# Altium PCB PCB4_NEW.PcbDoc (part 2 of 2)
Units mm, origin at the board's own origin, x right, y up, seen from the top; angles counter-clockwise.
Board outline 99.96 x 62.07 mm, 4 copper layers (Top Layer, GND2, V_S_3, Bottom Layer), stack 0.778 mm thick; 63 components, 104 nets, 298 pads, 177 vias.
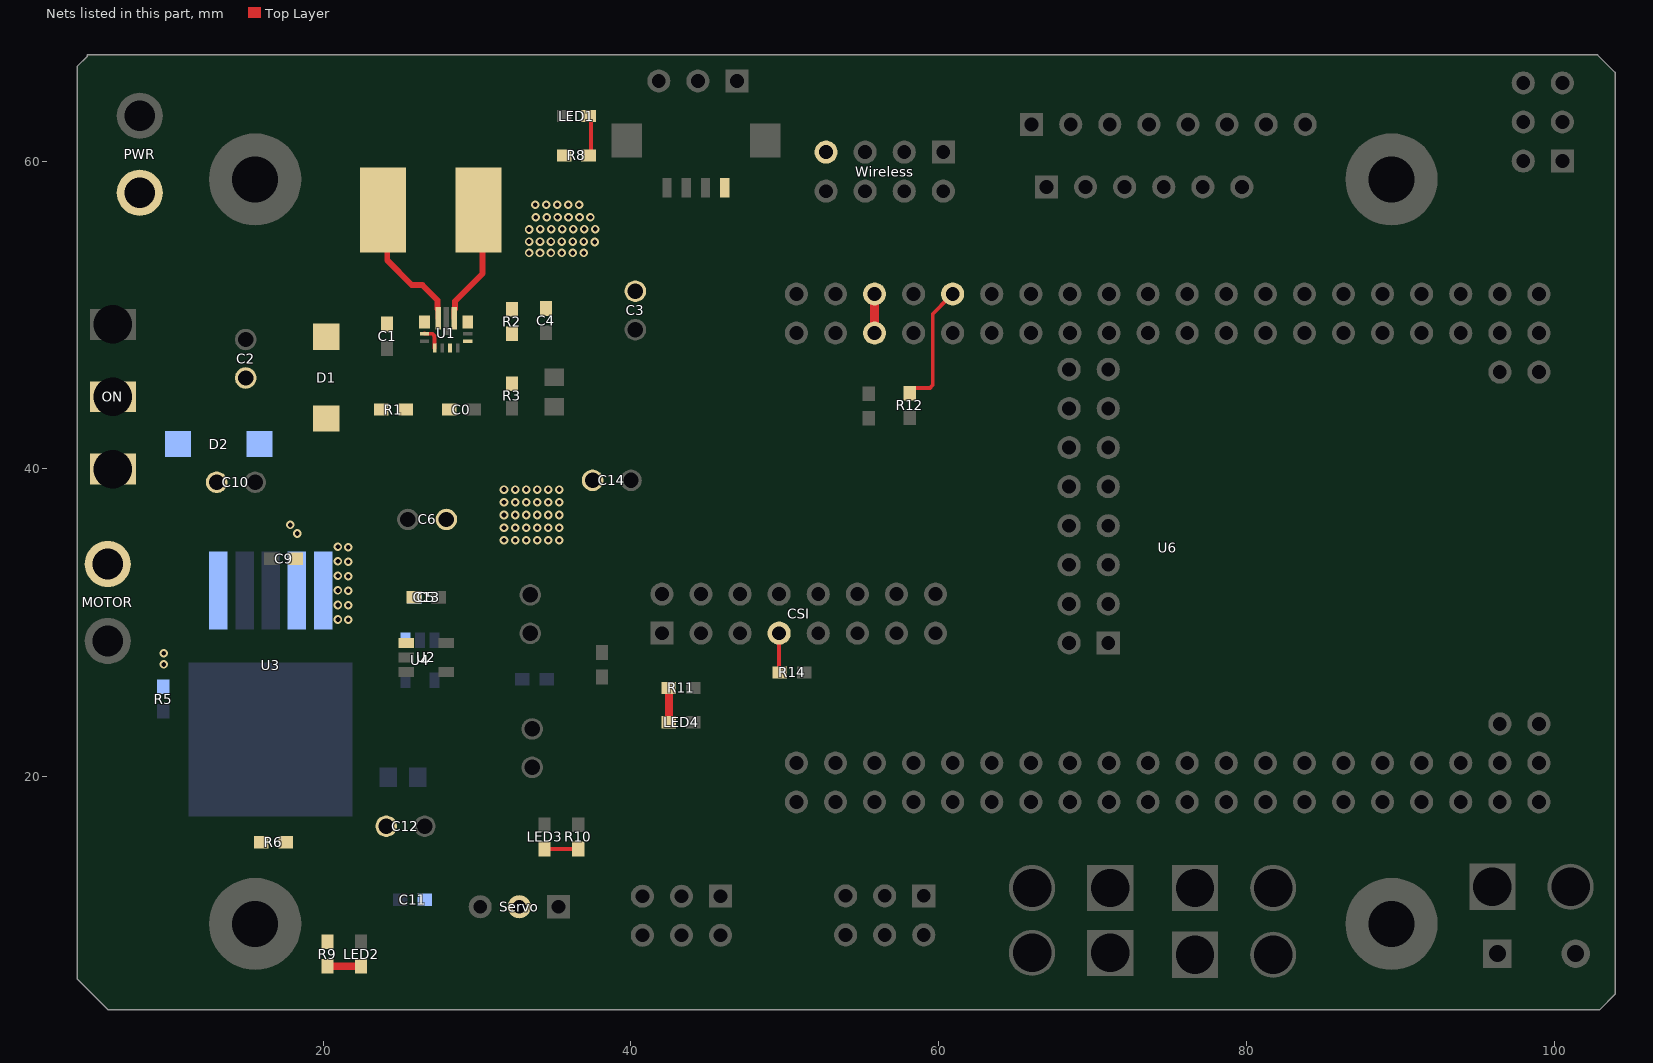
[diagram p4: the nets of this part, all layers, seen from the top]

## Via types
v1: diameter 0.559, hole 0.305, Top Layer to Bottom Layer, tented both sides, 177 vias

## Nets (pads, with @x,y where several pads share a name; then routed paths per layer and width w, separated by ;. In a path a pad name is that pad's centre, name@x,y a point inside that pad or via, vN(x,y) a via of type N, cw(c..) or ccw(c..) an arc to the next point about the centre after c; other vN are vias at no path point) (continued)
L1_1: ?.2@23.876,56.82 U1.11 | length 8.9
  Top Layer w0.35: U1.11@27.461,49.779 U1.11@27.461,50.346
  Top Layer w0.381: ?.2@23.876,56.82 24.155,56.54 24.155,53.543 25.756,51.943 26.441,51.943 27.431,50.954 27.431,50.377 U1.11@27.461,50.346
L1_2: ?.1@30.099,56.82 U1.9 | length 7.9
  Top Layer w0.35: U1.9@28.512,49.779 U1.9@28.512,50.331
  Top Layer w0.381: U1.9@28.512,50.331 28.558,50.377 28.558,50.885 30.353,52.68 30.353,56.566 ?.1@30.099,56.82
net_R1_1: R1.1 U1.1 U1.14 | length 1.5
  Top Layer w0.254: U1.14@26.587,48.779 26.594,48.772 27.088,48.772 27.237,48.623 U1.1@27.237,47.854
Net_R2_1: 
NetC0_1: C0.1 U1.3
NetC1_2: C1.2 C2.1 D1.A R1.2 U1.12 U1.13
NetC9_2: C9.2 C10.1 D2.A U3.4
  other v1: 18.313,35.789 17.856,36.347
NetC18_1: 
NetC18_2: 
NetLED1_1: LED1.1 R8.1 | length 2.6
  Top Layer w0.254: R8.1@37.389,60.312 LED1.1@37.389,62.865
NetLED2_1: LED2.1 R9.1 | length 2.2
  Top Layer w0.508: R9.1@20.269,7.664 LED2.1@22.454,7.664
NetLED3_1: LED3.1 R10.1 | length 2.2
  Top Layer w0.254: LED3.1@34.392,15.284 R10.1@36.576,15.284
NetLED4_1: LED4.1 R11.1 | length 2.2
  Top Layer w0.508: LED4.1@42.462,23.52 R11.1@42.462,25.756
NetP9_1: ON.3 PWR.1@8.077,57.937
NetP11_7: CSI.7 R14.2 | length 2.6
  Top Layer w0.254: CSI.7@49.632,29.312 49.632,26.806 R14.2@49.676,26.761
NetR1_1: 
NetR2_2: R2.1 R3.1 U1.5
NetR4_1: 
NetR5_2: R5.2 R6.1 U3.1
  other v1: 9.627,27.28 9.627,28.016
NetR7_1: 
NetR12_1: R12.1 U6.9 | length 8.4
  Top Layer w0.254: R12.1@58.115,44.907 58.115,44.99 58.382,45.256 59.43,45.256 59.614,45.441 59.614,50.063 60.668,51.117 60.909,51.117 U6.9@60.909,51.359
NetR15_1: 
VCC5V: ?.4 C3.1 C4.2 C5.2 C6.1 C13.2 C14.1 R2.2 R8.2 U1.7 U1.8 U2.1 U4.1 U6.5 U6.6 Wireless.7 | length 2.5
  Top Layer w0.6: U6.6@55.829,48.819 U6.5@55.829,51.359
  other v1: 31.75,35.344 32.487,35.344 33.198,35.344 33.909,35.344 34.62,35.344 35.331,35.344 31.75,36.17 32.487,36.17 33.198,36.17 33.909,36.17 34.62,36.17 35.331,36.17 31.75,36.995 32.487,36.995 33.198,36.995 33.909,36.995 34.62,36.995 35.331,36.995 31.75,37.821 32.487,37.821 33.198,37.821 33.909,37.821 34.62,37.821 35.331,37.821 31.75,38.646 32.487,38.646 33.198,38.646 33.909,38.646 34.62,38.646 35.331,38.646 33.376,54.026 34.087,54.026 34.798,54.026 35.509,54.026 36.22,54.026 36.932,54.026 37.643,54.737 33.376,54.762 34.087,54.762 34.798,54.762 35.509,54.762 36.22,54.762 36.932,54.762 33.376,55.55 34.112,55.575 34.823,55.575 35.535,55.575 36.246,55.575 36.957,55.575 37.668,55.575 33.807,56.337 34.519,56.337 35.23,56.337 35.941,56.337 36.652,56.337 37.363,56.337 33.782,57.15 34.493,57.15 35.204,57.15 35.916,57.15 36.627,57.15
VCCBAT: D1.K D2.K MOTOR.1@5.994,33.807 ON.2
VCCServo: C11.2 C12.1 R6.2 R9.2 Servo.2 U3.5
  other v1: 21.615,30.181 20.955,30.201 21.615,31.126 20.955,31.145 20.955,32.09 21.615,32.07 21.615,33.015 20.955,33.035 21.615,33.96 20.955,33.98 21.615,34.905 20.955,34.924
pads on no net: ?.0 CODE1.5 CODE1.6 CODE2.5 CODE2.6 ICM20602.7 ICM20602.8 ON.1 U1.2 U2.4 U4.4 U6.3 U6.4 U6.7 U6.8 U6.21 U6.22 Wireless.2 Wireless.8

## Polygon pours and split planes (outlines as drawn)
GND on Top Layer "Top Layer-GND 5" (hatched Horizontal grid 0.102 track 0.127, remove dead copper, pour order 222): 34.265,49.174 39.268,49.174 39.751,49.657 40.401,49.657 41.021,49.037 41.021,38.456 40.665,38.1 39.84,38.1 39.04,38.9 39.04,45.06 38.557,45.542 35.052,45.542 34.087,46.507 34.087,49.037
GNDBAT on Top Layer "Top Layer-GNDBAT 1" (hatched Horizontal grid 0.102 track 0.127, remove dead copper, pour order 220): 29.337,44.221 35.611,44.221 35.611,41.859 35.204,41.453 29.896,41.453 29.312,42.037 29.312,43.663
VCC5V on Top Layer "Top Layer-VCC5V" (hatched Horizontal grid 0.102 track 0.127, remove dead copper, pour order 218): 33.02,57.823 33.02,58.776 35.077,60.833 35.872,60.833 36.119,60.586 36.119,57.524 36.075,57.48
VCC5V on Top Layer "Top Layer-VCC5V 1" (hatched Horizontal grid 0.102 track 0.127, remove dead copper, pour order 216): 35.763,50.267 36.093,50.597 42.647,50.597 46.99,54.94 46.99,55.245 35.281,55.245 34.798,54.762
no net on Top Layer "Top Layer-No Net 4" (hatched Horizontal grid 0.102 track 0.127, remove dead copper, pour order 214): 35.89,50.251
VCC5V on Top Layer "Top Layer-VCC5V 7" (hatched Horizontal grid 0.102 track 0.127, remove dead copper, pour order 208): 29.108,49.886 30.175,51.029 31.293,51.029 33.02,52.756 33.02,57.823 33.28,58.083 33.426,57.937 35.56,57.937 35.56,55.986 37.012,54.534 35.763,53.285 35.763,50.251 35.423,49.911 30.388,49.911 29.693,49.174
NetR2_2 on Top Layer "Top Layer-NetR2_2" (hatched Horizontal grid 0.102 track 0.127, remove dead copper, pour order 206): 29.083,48.209 32.131,45.161 32.41,45.161 32.41,45.536 32.588,45.714 32.588,48.895 32.385,49.098 31.953,48.666 31.775,48.666 31.217,48.108 29.957,48.108 29.712,48.353
NetC0_1 on Top Layer "Top Layer-NetC0_1" (hatched Horizontal grid 0.102 track 0.127, remove dead copper, pour order 202): 27.757,44.14 27.757,46.07 28.067,46.38 28.067,47.684 28.237,47.854 28.346,47.744 28.346,44.653 28.651,44.348 28.651,43.637 28.626,43.612 28.397,43.84 28.188,43.84
net_R1_1 on Top Layer "Top Layer-net_R1_1" (hatched Horizontal grid 0.102 track 0.127, remove dead copper, pour order 200): 24.917,43.993 24.917,44.818 26.913,46.814 26.913,47.701 27.065,47.854 27.318,47.854 27.318,46.501 25.679,44.862 25.679,43.942
NetC1_2 on Top Layer "Top Layer-NetC1_2" (hatched Horizontal grid 0.102 track 0.127, remove dead copper, pour order 196): 23.216,43.485 23.216,44.475 21.565,46.126 19.888,46.126 19.609,46.406 21.26,48.057 21.615,48.057 22.047,48.489 22.047,47.219 24.308,44.958 24.308,43.485
NetC1_2 on Top Layer "Top Layer-NetC1_2 1" (hatched Horizontal grid 0.102 track 0.127, remove dead copper, pour order 194): 14.148,46.558 14.605,47.015 16.341,47.015 18.44,49.114 18.44,49.276 19.634,50.47 26.877,50.47 27.01,49.676 26.692,49.359 26.356,49.022 23.038,49.022 19.812,45.796 17.262,45.796 16.412,44.945 13.945,44.945 13.767,45.123 13.767,46.203 13.868,46.304
VCCBAT on Top Layer "Top Layer-VCCBAT 1" (hatched Horizontal grid 0.102 track 0.127, remove dead copper, pour order 192): 12.7,40.615 20.681,40.615 21.646,41.58 21.646,44.14 20.828,44.958 20.803,44.933 17.45,44.933 16.688,44.171 13.741,44.171 12.217,45.695 11.684,45.695 11.684,43.663 10.008,41.986
VCCBAT on Top Layer "Top Layer-VCCBAT" (hatched Horizontal grid 0.102 track 0.127, remove dead copper, pour order 184): 4.826,46.33 4.851,46.355 8.382,46.355 12.7,46.355 12.7,36.754 12.09,36.144 8.179,32.233 4.293,32.233 4.293,46.05 4.343,46.101
VCC5V on Top Layer "Top Layer-VCC5V 4" (hatched Horizontal grid 0.102 track 0.127, remove dead copper, pour order 182): 43.358,55.347 44.162,55.347 45.847,57.032 45.847,58.005 46.096,58.254 46.368,58.254 48.26,56.363 50.165,56.363 50.165,55.22 50.089,55.143
VCC5V on Top Layer "Top Layer-VCC5V 8" (hatched Horizontal grid 0.102 track 0.127, remove dead copper, pour order 180): 36.043,57.582 39.98,57.582 41.885,55.677 47.955,55.677 48.082,55.804 49.378,55.804 50.546,56.972 50.546,60.02 51.968,61.443 53.238,61.443 53.619,61.062 53.619,60.122 53.061,59.563 51.943,59.563 51.41,59.03 51.41,55.982 52.451,54.94 51.994,54.483 47.777,54.483 47.523,54.229 37.109,54.229
VCC5V on Top Layer "Top Layer-VCC5V 2" (hatched Horizontal grid 0.102 track 0.127, remove dead copper, pour order 76): 26.843,37.77 26.843,34.691 24.86,32.709 24.86,28.403 24.867,28.397 25.832,28.397 25.857,28.372 25.857,30.754 26.345,31.242 26.345,32.365 28.804,34.823 28.804,37.719
GND on Top Layer "Top Layer-GND" (hatched Horizontal grid 0.102 track 0.127, remove dead copper, pour order 166): 52.807,45.669 55.728,45.669 55.982,45.415 55.982,44.45 55.88,44.348 54.407,44.348 54.102,44.044 53.035,44.044 52.832,44.247
GND on Top Layer "Top Layer-GND 1" (hatched Horizontal grid 0.102 track 0.127, remove dead copper, pour order 156): 43.739,23.343 43.739,22.784 43.459,22.504 43.459,21.946 43.561,21.844 44.78,21.844 44.882,21.946 44.882,23.343 44.45,23.774 44.196,23.52 44.05,23.52
GND on Top Layer "Top Layer-GND 2" (hatched Horizontal grid 0.102 track 0.127, remove dead copper, pour order 154): 38.43,26.797 39.395,26.797 39.497,26.899 39.548,26.899 39.903,26.899 39.903,25.552 39.599,25.248 37.998,25.248 37.77,25.476 37.77,26.137
GND on Top Layer "Top Layer-GND 3" (hatched Horizontal grid 0.102 track 0.127, remove dead copper, pour order 150): 22.936,28.092 24.282,28.092 24.663,27.711 24.282,27.33 24.282,26.137 24.105,25.959 23.012,25.959 22.835,26.137 22.835,27.965
GND on Top Layer "Top Layer-GND 4" (hatched Horizontal grid 0.102 track 0.127, remove dead copper, pour order 148): 27.305,31.902 27.915,32.512 27.915,32.995 28.27,33.35 30.12,33.35 30.455,33.015 30.455,32.693 29.794,32.032 29.794,32.004 28.575,32.004 27.618,31.344 27.457,31.318
no net on Top Layer "Top Layer-No Net 1" (hatched Horizontal grid 0.102 track 0.127, remove dead copper, pour order 146): 27.489,31.648
GNDBAT on Top Layer "Top Layer-GNDBAT" (hatched Horizontal grid 0.102 track 0.127, remove dead copper, pour order 120): 14.32,35.001 17.079,35.001 17.17,34.91 17.17,33.386 17.109,33.325 14.275,33.325
VCCServo on Top Layer "Top Layer-VCCServo" (hatched Horizontal grid 0.102 track 0.127, remove dead copper, pour order 112): 17.116,15.926 17.116,25.98 19.685,28.55 19.685,35.204 19.964,35.484 21.736,35.484 22.098,35.122 22.098,28.883 18.847,25.573 18.847,16.891 19.812,15.926 19.812,15.697
CSI_3V3 on Top Layer "Top Layer-CSI_3V3" (hatched Horizontal grid 0.102 track 0.127, remove dead copper, pour order 106): 34.011,28.321 34.025,28.335 36.543,28.335 37.065,27.813 42.164,27.813 42.951,28.6 42.951,30.353 42.799,30.505 30.251,30.505 29.033,29.287 27.595,29.287 27.595,28.335 27.61,28.321
CSI_3V3 on Top Layer "Top Layer-CSI_3V3 1" (hatched Horizontal grid 0.102 track 0.127, remove dead copper, pour order 110): 42.202,27.851 42.601,27.451 42.907,27.451 42.907,28.556
no net on Top Layer "Top Layer-No Net 2" (hatched Horizontal grid 0.102 track 0.127, remove dead copper, pour order 96): 40.894,27.203
no net on Top Layer "Top Layer-No Net 3" (hatched Horizontal grid 0.102 track 0.127, remove dead copper, pour order 92): 41.961,29.743
VCC5V on Top Layer "Top Layer-VCC5V 3" (hatched Horizontal grid 0.102 track 0.127, remove dead copper, pour order 86): 47.092,54.28 53.746,54.28 54.991,53.035 54.991,48.552 55.601,47.942 56.248,47.942 56.591,48.285 56.591,53.292 54.41,55.474 49.682,55.474 49.2,55.956 48.082,55.804
VCC5V on Top Layer "Top Layer-VCC5V 5" (hatched Horizontal grid 0.102 track 0.127, remove dead copper, pour order 78): 26.843,37.77 28.163,39.091 35.687,39.091 36.271,38.506 36.271,34.569 36.017,34.315 27.61,34.315 27.407,34.519
VCC5V on Top Layer "Top Layer-VCC5V 6" (hatched Horizontal grid 0.102 track 0.127, remove dead copper, pour order 72): 35.509,58.598 37.973,56.134 37.973,54.387 37.211,53.625 34.041,53.625 33.376,52.959 33.376,57.988 33.28,58.083
VCCServo on Top Layer "Top Layer-VCCServo 1" (hatched Horizontal grid 0.102 track 0.127, remove dead copper, pour order 62): 19.34,15.077 19.888,14.529 19.888,9.068 20.498,9.068 20.599,9.169 20.599,14.554 21.018,14.973
VCCServo on Top Layer "Top Layer-VCCServo 2" (hatched Horizontal grid 0.102 track 0.127, remove dead copper, pour order 56): 17.018,16.18 21.463,16.18 23.114,17.831 24.714,17.831 25.019,17.526 25.019,16.18 23.8,14.961 17.018,14.961
NetR5_2 on Top Layer "Top Layer-NetR5_2" (hatched Horizontal grid 0.102 track 0.127, remove dead copper, pour order 54): 9.271,19.101 13.132,15.24 13.157,15.265 16.389,15.265 16.389,16.2 16.383,16.205 13.132,16.205 10.109,19.228 10.109,28.499 9.982,28.626 9.373,28.626 9.271,28.524
NetC9_2 on Top Layer "Top Layer-NetC9_2" (hatched Horizontal grid 0.102 track 0.127, remove dead copper, pour order 44): 17.526,36.906 18.694,36.906 18.923,36.678 18.923,33.655 18.745,33.477 18.078,33.477 17.85,33.706 17.85,35.846 17.424,36.271 17.424,36.805
no net on Top Layer "Top Layer-No Net" (hatched Horizontal grid 0.102 track 0.127, remove dead copper, pour order 12): 11.303,46.203
VCC5V on Bottom Layer "Bottom Layer-VCC5V" (hatched Horizontal grid 0.102 track 0.127, remove dead copper, pour order 82): 28.163,39.091 35.662,39.091 36.271,38.481 36.271,34.569 36.017,34.315 28.296,34.315 28.296,34.29 26.416,32.41 26.416,31.313 25.253,30.15 24.86,30.15 24.86,31.145 24.86,31.541 24.86,32.709 26.843,34.691 26.843,37.77
GND on Bottom Layer "Bottom Layer-GND" (hatched Horizontal grid 0.102 track 0.127, remove dead copper, pour order 152): 34.525,26.314 34.972,26.761 39.182,26.761 39.421,27 39.87,27 39.929,26.942 39.903,25.681 39.826,25.681 35.158,25.681
GND on Bottom Layer "Bottom Layer-GND 1" (hatched Horizontal grid 0.102 track 0.127, remove dead copper, pour order 144): 27.305,31.902 27.915,32.512 27.915,33.127 28.138,33.35 30.12,33.35 30.455,33.015 30.455,32.693 29.794,32.032 29.794,32.004 28.575,32.004 27.657,31.086 27.657,31.009
3V3 on Bottom Layer "Bottom Layer-3V3" (hatched Horizontal grid 0.102 track 0.127, remove dead copper, pour order 142): 24.6,26.848 24.6,24.55 27.052,22.098 31.356,22.098 31.356,25.286 30.582,24.511 26.746,24.511 25.863,25.394 25.863,26.912 25.673,27.102 24.715,27.102
VCC5V on Bottom Layer "Bottom Layer-VCC5V 1" (hatched Horizontal grid 0.102 track 0.127, remove dead copper, pour order 140): 24.994,31.343 24.206,30.556 24.206,28.493 24.505,28.194 25.278,28.194 25.339,28.255 25.339,30.47 25.527,30.658
VCCServo on Bottom Layer "Bottom Layer-VCCServo" (hatched Horizontal grid 0.102 track 0.127, remove dead copper, pour order 114): 19.685,34.62 20.549,35.484 21.736,35.484 22.098,35.122 22.098,29.642 21.718,29.261 20.371,29.261 20.345,29.235 19.939,29.642 19.939,30.353
3V3 on Bottom Layer "Bottom Layer-3V3 1" (hatched Horizontal grid 0.102 track 0.127, remove dead copper, pour order 98): 31.356,27.153 33.238,27.153 33.63,26.761 33.63,25.146 38.125,20.65 43.256,20.65 43.536,20.371 43.536,16.053 43.215,15.732 39.081,15.732 35.331,19.482 35.331,21.082 34.315,22.098 31.356,22.098
VCCServo on Bottom Layer "Bottom Layer-VCCServo 1" (hatched Horizontal grid 0.102 track 0.127, remove dead copper, pour order 66): 26.152,11.354 26.152,9.56 27.661,8.052 32.614,8.052 33.706,9.144 33.706,12.37 33.325,12.751 32.182,12.751 31.775,12.344 31.775,9.804 31.267,9.296 28.169,9.296 27.407,10.058 27.407,12.217 27.457,12.268
VCCServo on Bottom Layer "Bottom Layer-VCCServo 2" (hatched Horizontal grid 0.102 track 0.127, remove dead copper, pour order 64): 23.343,17.653 24.613,17.653 25.197,17.069 25.197,15.469 26.467,14.199 27.457,13.208 27.457,11.227 27.33,11.1 26.187,11.1 26.06,11.227 26.06,13.202 23.089,16.174 23.089,17.45
no net on Bottom Layer "Bottom Layer-No Net" (hatched Horizontal grid 0.102 track 0.127, remove dead copper, pour order 40): 17.932,43.104
NetR5_2 on Bottom Layer "Bottom Layer-NetR5_2" (hatched Horizontal grid 0.102 track 0.127, remove dead copper, pour order 34): 9.271,26.111 9.271,30.505 12.573,33.807 12.7,33.68 13.284,33.68 13.284,32.182 13.03,31.928 13.03,30.467 12.23,31.267 10.973,31.267 9.982,30.277 9.982,26.01
no net on Bottom Layer "Bottom Layer-No Net 1" (hatched Horizontal grid 0.102 track 0.127, remove dead copper, pour order 32): 9.271,26.111
GNDBAT on Bottom Layer "Bottom Layer-GNDBAT" (hatched Horizontal grid 0.102 track 0.127, remove dead copper, pour order 30): 4.038,30.21 4.038,18.339 5.477,16.9 15.586,16.9 16.627,17.942 14.799,19.771 14.799,24.012 14.106,24.705 10.168,24.705 8.525,26.348 8.525,30.07 7.979,30.616 4.512,30.616 4.486,30.591
GNDBAT on Bottom Layer "Bottom Layer-GNDBAT 1" (hatched Horizontal grid 0.102 track 0.127, remove dead copper, pour order 28): 14.529,30.137 14.529,24.562 16.925,24.562 17.153,24.79 16.84,25.104 16.84,30.137
GNDBAT on Bottom Layer "Bottom Layer-GNDBAT 2" (hatched Horizontal grid 0.102 track 0.127, remove dead copper, pour order 26): 15.24,34.29 16.488,34.29 16.631,34.148 16.408,33.926 16.408,30.658 16.369,30.618 16.369,29.743 15.291,29.743
NetC9_2 on Bottom Layer "Bottom Layer-NetC9_2" (hatched Horizontal grid 0.102 track 0.127, remove dead copper, pour order 24): 14.605,42.316 16.358,42.316 16.358,40.886 16.087,40.615 14.63,40.615 13.97,39.954 13.97,37.997 15.164,36.678 18.11,36.678 18.872,35.916 18.872,32.67 18.286,32.084 17.678,32.692 17.678,35.507 17.244,35.941 17.219,35.916 14.3,35.916 12.167,38.049 12.167,39.878
VCCBAT on Bottom Layer "Bottom Layer-VCCBAT" (hatched Horizontal grid 0.102 track 0.127, remove dead copper, pour order 16): 4.041,46.355 11.252,46.355 12.749,44.858 12.749,41.019 11.887,40.157 10.185,40.157 7.239,43.104 3.962,43.104 3.229,43.837 3.229,45.79
NetP9_1 on V_S_3 "V_S_3-NetP9_1" (hatched Horizontal grid 0.102 track 0.127, remove dead copper, pour order 190): 5.385,60.147 9.804,60.147 11.455,58.496 11.455,56.54 17.907,50.089 17.907,43.713 11.176,36.982 4.547,36.982 4.547,59.487 4.801,59.741
no net on V_S_3 "V_S_3-No Net 1" (hatched Horizontal grid 0.102 track 0.127, remove dead copper, pour order 172): 4.75,41.605
3V3 on V_S_3 "V_S_3-3V3" (hatched Horizontal grid 0.102 track 0.127, remove dead copper, pour order 118): 69.52,32.004 69.52,30.886 69.037,30.404 66.497,30.404 65.43,31.471 65.43,33.604 62.763,36.271 41.885,36.271 43.993,38.379 44.298,38.379 44.298,40.386 46.533,38.151 63.271,38.151 66.98,34.442 66.98,32.741 67.386,32.334 69.291,32.334
no net on V_S_3 "V_S_3-No Net" (hatched Horizontal grid 0.102 track 0.127, remove dead copper, pour order 116): 88.849,18.339
3V3 on V_S_3 "V_S_3-3V3 1" (hatched Horizontal grid 0.102 track 0.127, remove dead copper, pour order 108): 38.887,15.926 38.887,19.431 35.916,22.403 35.916,31.496 42.977,38.557 42.977,53.67 45.466,56.159 61.595,56.159 63.144,57.709 63.144,61.493 61.951,62.687 65.049,62.687 65.253,62.89 65.253,63.148 65.113,62.954 65.396,63.348 67.107,63.348 67.107,60.96 66.916,60.77 65.583,60.782 65.024,60.223 65.024,56.464 65.583,55.905 68.123,55.905 68.707,56.49 68.707,58.979 69.113,59.385 70.079,59.385 70.561,58.903 70.561,55.829 69.037,54.305 46.914,54.305 45.212,52.603 45.212,37.516 38.227,30.531 38.227,25.248 43.129,20.345 43.129,17.983 42.875,17.729
3V3 on V_S_3 "V_S_3-3V3 2" (hatched Horizontal grid 0.102 track 0.127, remove dead copper, pour order 104): 44.323,15.545 43.028,16.84 43.028,15.824 43.307,15.545
3V3 on V_S_3 "V_S_3-3V3 3" (hatched Horizontal grid 0.102 track 0.127, remove dead copper, pour order 102): 49.124,10.592 49.86,11.328 49.86,13.945 49.174,14.63 49.454,14.91 51.664,14.91 52.07,14.503 51.511,13.945 51.46,13.945 51.46,10.584 49.682,8.806 45.423,8.806 45.009,9.22 45.009,10.109 45.491,10.592
3V3 on V_S_3 "V_S_3-3V3 4" (hatched Horizontal grid 0.102 track 0.127, remove dead copper, pour order 100): 38.71,20.599 43.409,20.599 43.409,15.9 61.697,15.824 63.475,14.046 63.475,8.915 62.509,7.95 58.801,7.95 58.039,8.712 58.039,9.754 58.776,10.49 58.776,10.541 60.808,10.541 61.493,11.227 61.493,13.818 60.985,14.326 39.548,14.326 38.354,15.519 38.354,20.244
VCC5V on V_S_3 "V_S_3-VCC5V" (hatched Horizontal grid 0.102 track 0.127, remove dead copper, pour order 74): 33.058,57.683 37.262,57.683 38.1,56.845 38.1,36.982 35.458,34.341 28.27,34.341 26.843,35.768 26.843,37.77 28.519,39.446 31.928,39.446 32.893,40.411 32.893,55.474 32.893,56.464 32.893,57.519
GND on GND2 "GND2-GND 1" (hatched Horizontal grid 0.102 track 0.127, remove dead copper, pour order 224): 42.682,45.339 42.266,45.339 39.446,48.158 39.446,49.759 39.878,50.19 41.275,50.19 42.266,51.181 44.272,51.181 44.45,51.003
GNDBAT on GND2 "GND2-GNDBAT" (hatched Horizontal grid 0.102 track 0.127, remove dead copper, pour order 124): 6.731,64.901 6.731,32.207 5.105,30.582 2.362,30.582 2.362,18.644 4.166,16.84 4.597,17.272 21.361,17.272 22.72,18.631 22.72,38.163 25.578,41.021 35.586,41.021 36.754,42.188 36.754,50.063 31.598,50.063 29.261,52.4 29.261,53.848 28.981,53.848 21.361,53.848 21.361,66.111 13.981,66.226 7.305,66.057
GND on GND2 "GND2-GND" (hatched Horizontal grid 0.102 track 0.127, remove dead copper, pour order 132): 28.981,65.913 100.99,65.913 103.378,63.525 103.378,54.889 102.21,53.721 52.959,53.721 52.146,52.908 52.146,48.209 65.456,34.9 65.456,30.937 66.65,29.743 69.875,29.743 69.875,27.407 71.577,25.705 71.577,24.384 71.12,23.927 54.153,23.927 52.121,21.895 52.121,16.815 52.908,16.027 102.032,16.027 103.022,15.037 103.022,8.331 101.117,6.426 41.504,6.426 37.206,10.724 37.206,13.335 36.774,13.767 33.884,13.767 32.715,14.935 32.715,19.279 27.33,24.663 25.057,24.663 23.901,25.819 23.901,37.287 26.213,39.599 38.964,39.599 42.088,42.723 42.088,52.984 36.678,58.395 33.426,58.395 31.572,56.54 31.572,54.712 31.42,54.559 29.439,54.559 28.194,55.804 28.194,64.287
GNDServo on GND2 "GND2-GNDServo" (hatched Horizontal grid 0.102 track 0.127, remove dead copper, pour order 126): 21.692,12.471 25.669,14.517 25.669,18.339 29.286,18.339 31.471,16.154 31.471,11.024 27.167,6.72 27.167,6.198 26.888,5.918 22.225,5.918 21.692,6.452 21.692,10.109
no net on GND2 "GND2-No Net" (hatched Horizontal grid 0.102 track 0.127, remove dead copper, pour order 122): 6.807,64.44

## Keep-outs
Keep-Out Layer:
  the board outline again, w0.254

## Other copper
Top Layer:
  rectangle net GND: 32.484,62.484 35.979,65.634
  rectangle net GND: 33.401,16.535 34.798,18.847
  rectangle net GNDServo: 22.036,8.763 25.07,10.287
  text "浙大一队" at 8.204,6.248 h1
  text "浙江大学" at 12.663,6.248 h1
  text "2020年5月" at 7.075,5.359 h1
  text "GMY JMK LKM" at 12.028,5.359 h1
GND2:
  pour cut-out: 30.526,40.183 30.526,35.287 31.498,34.315 35.966,34.315 36.474,34.823 36.474,39.878 36.576,39.98
  pour cut-out: 22.936,38.379 22.174,37.617 16.84,37.617 16.485,37.262 16.485,34.722 19.38,31.826 19.38,29.896 21.92,27.356 21.92,24.435 23.393,22.962 23.495,23.063 23.495,32.106
  pour cut-out: 38.049,21.209 44.12,21.209 44.425,20.904 44.425,15.827 43.837,15.24 38.557,15.24 37.846,15.951 37.846,21.031 37.871,21.057
  pour cut-out: 48.058,9.576 48.058,5.665 47.955,5.563 47.219,6.299 44.831,6.299 44.831,8.32 45.383,8.872
  pour cut-out: 36.373,13.792 43.307,13.792 46.796,10.303 46.796,5.516 46.19,6.121 37.186,6.121
  pour cut-out: 69.605,27.813 68.691,26.899 57.125,26.899 52.857,22.631 53.289,22.2 74.066,22.2 74.473,22.606 73.762,23.317 73.762,25.959
Bottom Layer:
  rectangle net GNDServo: 22.511,11.201 25.146,12.878

## Silkscreen, mask and mechanical layers (free items; w line width, h text height)
Top Overlay:
  text "3V GN C25" at 49.047,65.151 h0.7
  text "5V GND D17 D16" at 52.095,62.687 h0.7
  text "3V3 GND C23 C22 C21 C20 NC NC" at 64.922,60.071 h0.7
  text "D3 GND D1" at 103.175,59.741 h0.7 r90
  text "D2 GND D0" at 95.885,59.614 h0.7 r90
  text "B12 B13 GND 5V" at 39.192,55.956 h0.7
  text "B14 3V3 GND B15 B21 B23" at 65.557,55.55 h0.7
  text "NC GND D26 NC" at 52.197,55.474 h0.7
  text "OFF" at 8.306,39.548 h1
  text "B24 B25 B26 B27 B28 B29 B30 B31" at 40.411,35.281 h0.7
  text "3V3 GND B22 EN C28 C29 GND B20" at 40.742,33.63 h0.7
  text "GND 3V3 B0  B1 B2 C19  B3 C18" at 66.37,27.305 h0.7 r90
  text "B16 B17 B18 B19 D12 D13 D14 D15" at 73.863,26.772 h0.7 r90
  text "浙大一队" at 5.459,15.672 h1
  text "浙江大学" at 9.918,15.672 h1
  text "2020年5月" at 4.33,14.783 h1
  text "GMY JMK LKM" at 9.283,14.783 h1
  text "NC C0 GND" at 42.215,14.275 h0.7
  text "NC C2 GND" at 53.696,13.995 h0.7
  text "GND VCC C30" at 28.956,8.839 h0.76
  text "NC C1 3V3" at 42.342,7.214 h0.7
  text "NC C24 3V3" at 53.264,6.985 h0.7
Mechanical 1:
  lines w0.254: 3.988,6.858 6.02,4.826 10.49,4.826 97.612,4.826 ; 4,6.858 4,66.135 ; 4.013,66.142 4.775,66.904 ; 4.674,66.897 102.819,66.897 103.962,65.754 103.962,49.276 103.962,20.32 103.962,5.842 102.946,4.826 97.358,4.826